# Altium PCB yard-ice-2.PcbDoc (part 1 of 2) (continued)
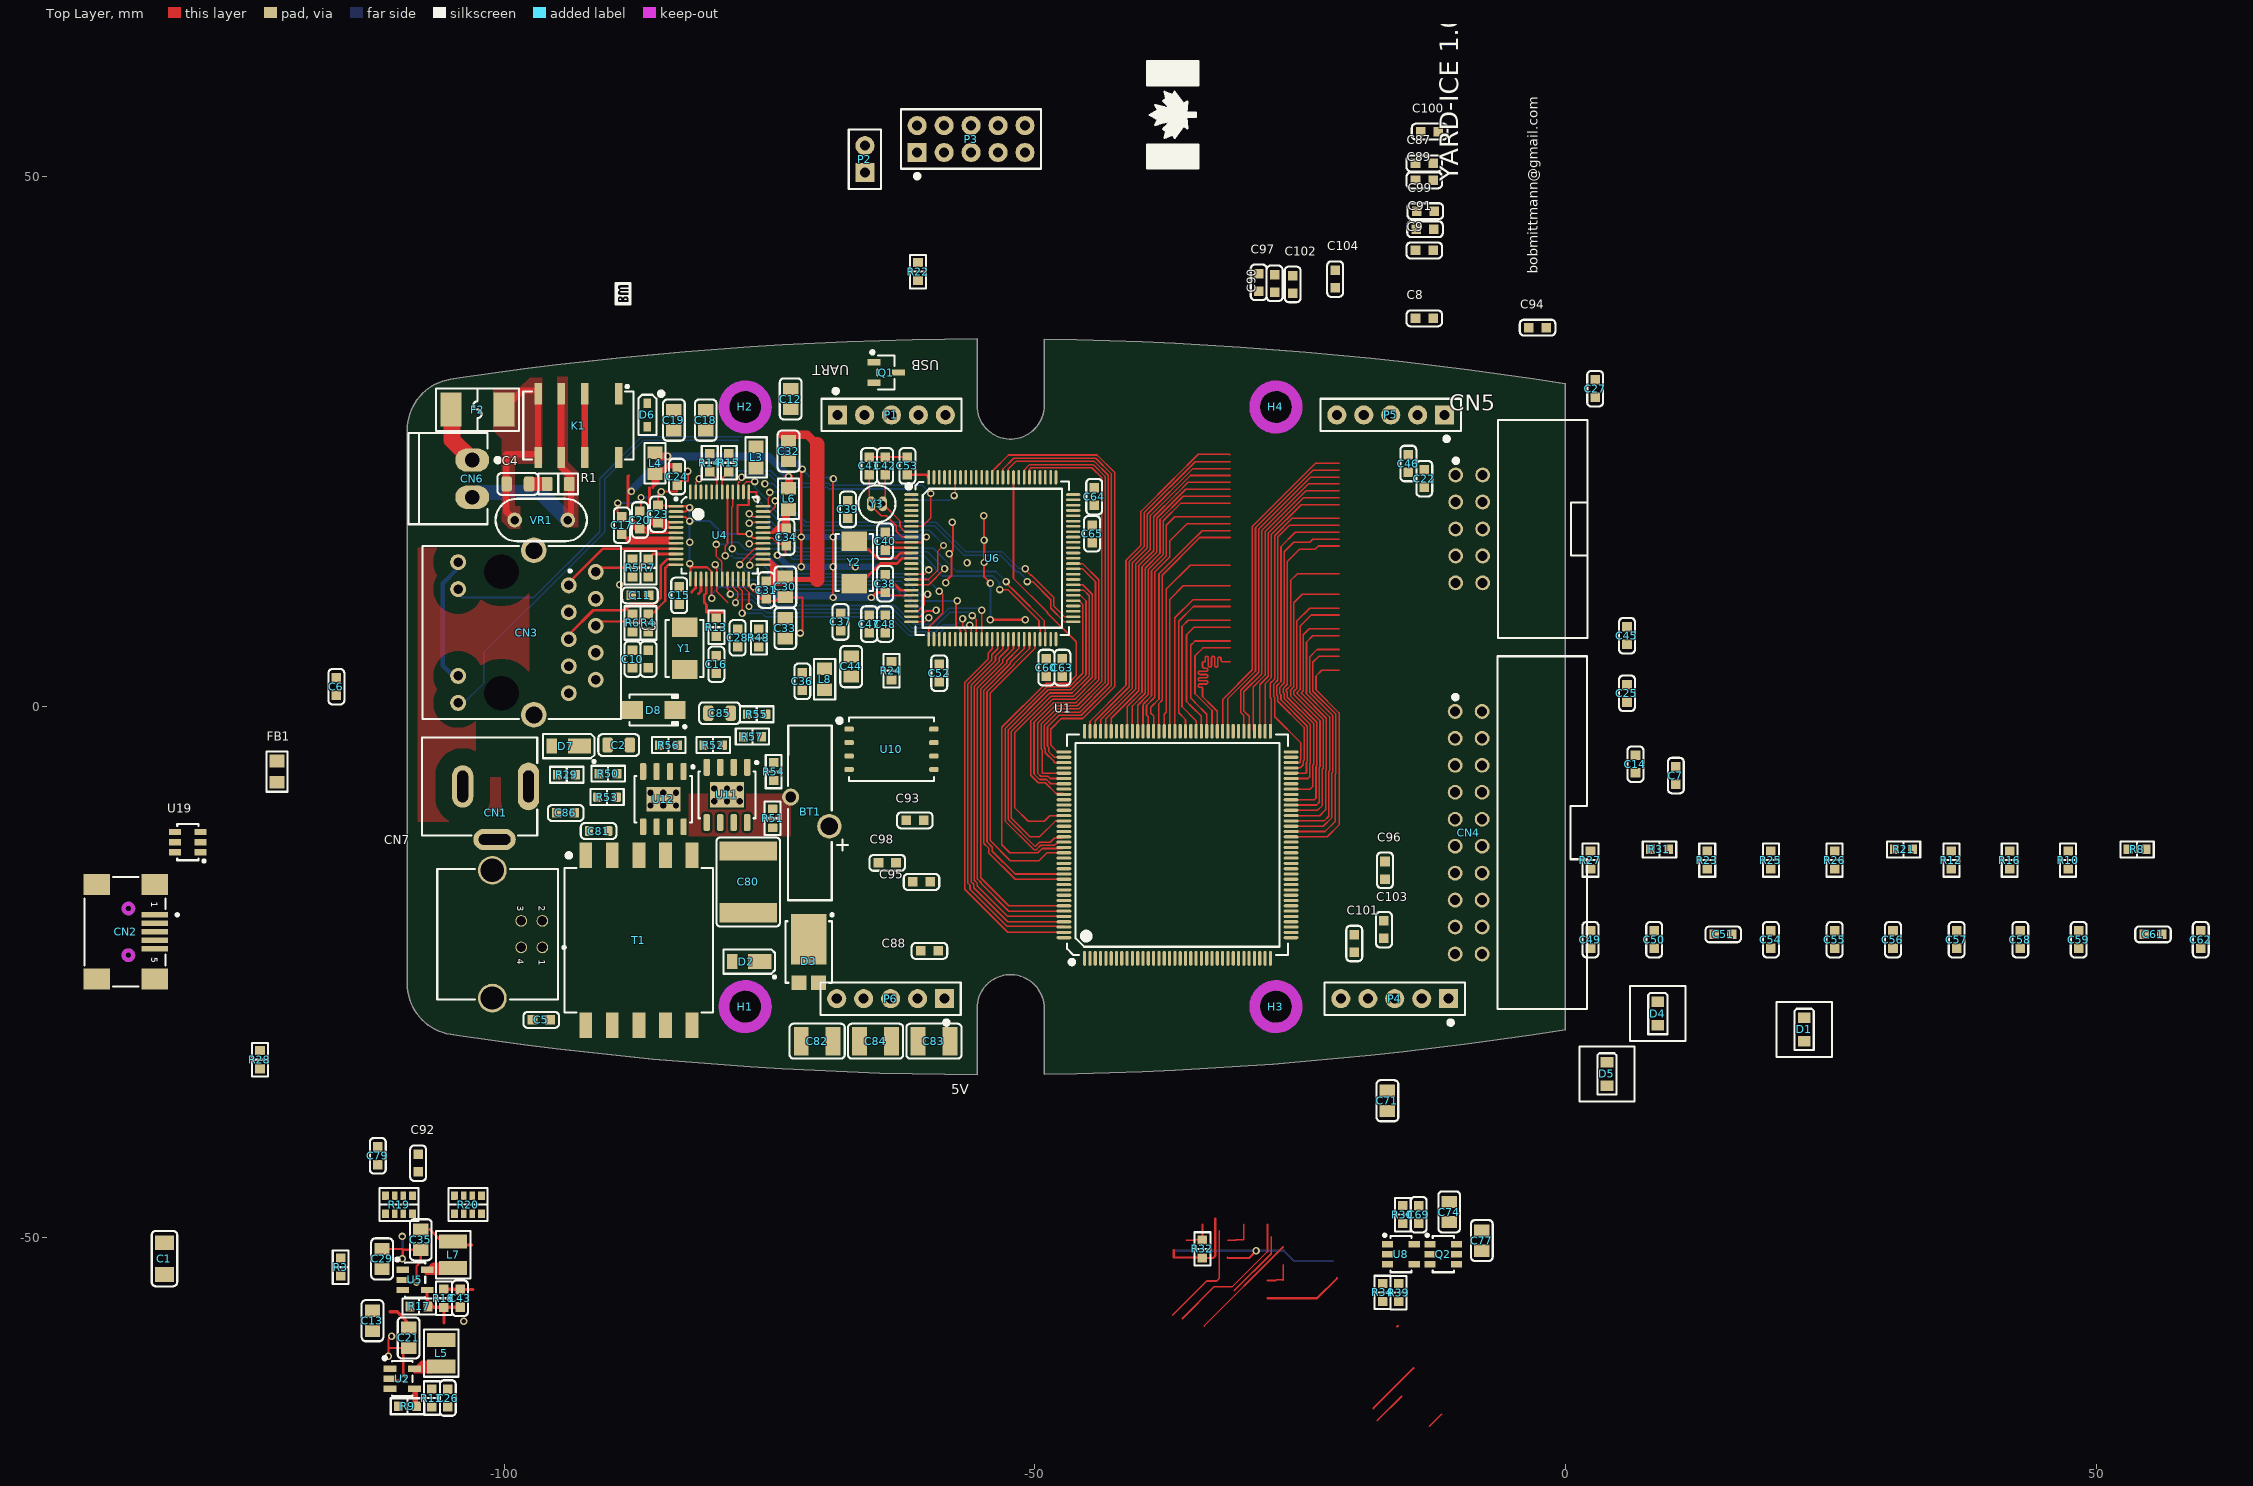
[diagram p0: Top Layer view]
## Components (designator, comment, footprint, x,y, rotation, side; value= is the part's Value field where it differs from the comment) (continued)
R13 "000096" R0603M -80,7.5 r90 top value="6.49K 1%"
R14 "000101" R0603M -80.625,23 r270 top value="220R 5%"
R15 "000101" R0603M -78.825,23 r270 top value="220R 5%"
R16 "000181" R0603M 41.861,-14.437 r90 top value="470R 5%"
R17 "000388" R0603M -108,-56.5 r0 top value="78.7K 1%"
R18 "000512" R0603M -105.675,-55.725 r90 top value="118K 1%"
R19 "000000" R0603x4L -109.9,-46.9 r90 top value=1K
R20 "000000" R0603x4L -103.4,-46.9 r90 top value=1K
R21 "000132" R0603M 31.861,-13.437 r0 top value="120R 1%"
R22 "000043" R0603M -61,41 r90 top value="10K 5%"
R23 "000132" R0603M 13.361,-14.437 r90 top value="120R 1%"
R24 "000043" R0603M -63.5,3.4 r90 top value="10K 5%"
R25 "000132" R0603M 19.361,-14.437 r90 top value="120R 1%"
R26 "000132" R0603M 25.361,-14.437 r90 top value="120R 1%"
R27 "000145" R0603M 2.361,-14.437 r90 top value="20K 1%"
R28 "000501" R0603M -123,-33.25 r90 top value="47R 5%"
R29 "000000" R0603M -94.1,-6.4 r180 top value="100K 1%"
R30 "000145" R0603M -15.325,-47.85 r270 top value="20.0K 1%"
R31 "000145" R0603M 8.861,-13.437 r0 top value="20K 1%"
R32 "000145" R0603M -34.2,-51.075 r270 top value="20K 1%"
R34 "000509" R0603M -17.225,-55.175 r90 top value="2K 1%"
R39 "000509" R0603M -15.725,-55.2 r90 top value="2K 1%"
R48 "?" R0603M -76,6.5 r270 top value="3.3K 1%"
R50 "000000" R0603M -90.2,-6.3 r180 top value="10.0K 1%"
R51 "000000" R0603HV -74.7,-10.5 r90 top value="309K 1%"
R52 "000000" R0603HV -80.3,-3.6 r180 top value="309K 1%"
R53 "000000" R0603HV -90.3,-8.5 r0 top value="309K 1%"
R54 "000000" R0603M -74.6,-6.1 r270 top value="100K 1%"
R55 "000000" R0603HV -76.2,-0.7 r0 top value="309K 1%"
R56 "000000" R0603M -84.5,-3.6 r180 top value="100K 1%"
R57 "000000" R0603M -76.6,-2.8 r0 top value="10.0K 1%"
T1 "000000" 75031583X -87.3,-22 r270 top value=750315125
U1 "000000" 144-TQFP -36.55,-13 r90 top value=LCMXO2-7000HC-4TG144C
U2 "000000" SOT23-5-M -109.6,-63.3 r0 top value=AP3402KTTR-G1
U3 "000000" TSOP-54-II -30,-12.6 r180 bottom value=IS42S16160J-7TLI
U4 "000516" 48-TQFP -79.7,16.15 r0 top value=KSZ8041TL
U5 "000000" SOT23-5-M -108.4,-54 r0 top value=AP3402KTTR-G1
U6 "000000" LQFP100 -54,14 r0 top locked value=STM32F427VIT6
U7 "000000" TSOP-54-II -44.1,-11.7 r180 bottom value=IS42S16160J-7TLI
U8 "000459" SOT-25 -15.5,-51.575 r0 top value=LMV321WG-7
U10 "000000" U-PDFN-8 -63.5,-4 r0 top value=MT29F2G01ABAGDWB
U11 "00000" "DDA (R-PDSO-G8)" -79,-8.3 r270 top value=TPS2378DDAR
U12 "000000" S8E -85,-8.7 r270 top value=LT8304ES8E#PBF
U19 "000000" SOT23-6L -129.8,-12.75 r180 top value=USBLC6-2SC6
VR1 "?" MOV7x4.8-5.0 -96.5,17.6 r180 top value=250V
Y1 "000522" ABM3-H -83,5.5 r90 top value="25.000 MHz"
Y2 "00000" ABM3-H -67,13.6 r270 top value="12.000 MHz"
Y3 "000000" CA-301-V -64.875,19.125 r90 top value=32.768KHz

## Footprints (in the part's own frame and the unit in brackets; to place one, negate y for a bottom-side part, rotate by r counter-clockwise, add the part's x,y. Pads: shape width x height; smd on the part's side, far side on the other; paste and mask are expansions set on the pad)
4-1734376 [mm] "USB Conn. Series B, 4P, R/A, THRU HOLE, W/ BACK SHELL"
  round 1.1 hole 0.9: 1(1.25,2.355) 2(-1.25,2.355) 3(-1.25,0.355) 4(1.25,0.355)
  round 2.7 hole 2.2: 5(6.02,-2.355) 6(-6.02,-2.355)
  silkscreen extent -6.15,-7.56 6.15,4.52, body extent -7.55,-12.63 7.55,3.77, height 11.31
48-TQFP [mm] "TSQFP, 48-Leads, Body 9.0x9.0mm (max), Pitch 0.50mm, IPC High Density"
  oval 1.4x0.25 smd: 1(-4.1,2.75) 2(-4.1,2.25) 3(-4.1,1.75) 4(-4.1,1.25) 5(-4.1,0.75) 6(-4.1,0.25) 7(-4.1,-0.25) 8(-4.1,-0.75) 9(-4.1,-1.25) 10(-4.1,-1.75) 11(-4.1,-2.25) 12(-4.1,-2.75) 25(4.1,-2.75) 26(4.1,-2.25) 27(4.1,-1.75) 28(4.1,-1.25) 29(4.1,-0.75) 30(4.1,-0.25) 31(4.1,0.25) 32(4.1,0.75) 33(4.1,1.25) 34(4.1,1.75) 35(4.1,2.25) 36(4.1,2.75)
  oval 0.25x1.4 smd: 13(-2.75,-4.1) 14(-2.25,-4.1) 15(-1.75,-4.1) 16(-1.25,-4.1) 17(-0.75,-4.1) 18(-0.25,-4.1) 19(0.25,-4.1) 20(0.75,-4.1) 21(1.25,-4.1) 22(1.75,-4.1) 23(2.25,-4.1) 24(2.75,-4.1) 37(2.75,4.1) 38(2.25,4.1) 39(1.75,4.1) 40(1.25,4.1) 41(0.75,4.1) 42(0.25,4.1) 43(-0.25,4.1) 44(-0.75,4.1) 45(-1.25,4.1) 46(-1.75,4.1) 47(-2.25,4.1) 48(-2.75,4.1)
  silkscreen extent -4.22,-3.6 3.6,3.6, body extent -4.5,-4.5 4.5,4.5, height 1.58
144-TQFP [mm] "TSQFP, 144-Leads, Body 20.00x20.00mm, Pitch 0.50mm, IPC Medium Density"
  oval 1.4x0.3 smd: 1(-10.7,8.75) 2(-10.7,8.25) 3(-10.7,7.75) 4(-10.7,7.25) 5(-10.7,6.75) 6(-10.7,6.25) 7(-10.7,5.75) 8(-10.7,5.25) 9(-10.7,4.75) 10(-10.7,4.25) 11(-10.7,3.75) 12(-10.7,3.25) 13(-10.7,2.75) 14(-10.7,2.25) 15(-10.7,1.75) 16(-10.7,1.25) 17(-10.7,0.75) 18(-10.7,0.25) 19(-10.7,-0.25) 20(-10.7,-0.75) 21(-10.7,-1.25) 22(-10.7,-1.75) 23(-10.7,-2.25) 24(-10.7,-2.75) 25(-10.7,-3.25) 26(-10.7,-3.75) 27(-10.7,-4.25) 28(-10.7,-4.75) 29(-10.7,-5.25) 30(-10.7,-5.75) 31(-10.7,-6.25) 32(-10.7,-6.75) 33(-10.7,-7.25) 34(-10.7,-7.75) 35(-10.7,-8.25) 36(-10.7,-8.75) 73(10.7,-8.75) 74(10.7,-8.25) 75(10.7,-7.75) 76(10.7,-7.25) 77(10.7,-6.75) 78(10.7,-6.25) 79(10.7,-5.75) 80(10.7,-5.25) 81(10.7,-4.75) 82(10.7,-4.25) 83(10.7,-3.75) 84(10.7,-3.25) 85(10.7,-2.75) 86(10.7,-2.25) 87(10.7,-1.75) 88(10.7,-1.25) 89(10.7,-0.75) 90(10.7,-0.25) 91(10.7,0.25) 92(10.7,0.75) 93(10.7,1.25) 94(10.7,1.75) 95(10.7,2.25) 96(10.7,2.75) 97(10.7,3.25) 98(10.7,3.75) 99(10.7,4.25) 100(10.7,4.75) 101(10.7,5.25) 102(10.7,5.75) 103(10.7,6.25) 104(10.7,6.75) 105(10.7,7.25) 106(10.7,7.75) 107(10.7,8.25) 108(10.7,8.75)
  oval 0.3x1.4 smd: 37(-8.75,-10.7) 38(-8.25,-10.7) 39(-7.75,-10.7) 40(-7.25,-10.7) 41(-6.75,-10.7) 42(-6.25,-10.7) 43(-5.75,-10.7) 44(-5.25,-10.7) 45(-4.75,-10.7) 46(-4.25,-10.7) 47(-3.75,-10.7) 48(-3.25,-10.7) 49(-2.75,-10.7) 50(-2.25,-10.7) 51(-1.75,-10.7) 52(-1.25,-10.7) 53(-0.75,-10.7) 54(-0.25,-10.7) 55(0.25,-10.7) 56(0.75,-10.7) 57(1.25,-10.7) 58(1.75,-10.7) 59(2.25,-10.7) 60(2.75,-10.7) 61(3.25,-10.7) 62(3.75,-10.7) 63(4.25,-10.7) 64(4.75,-10.7) 65(5.25,-10.7) 66(5.75,-10.7) 67(6.25,-10.7) 68(6.75,-10.7) 69(7.25,-10.7) 70(7.75,-10.7) 71(8.25,-10.7) 72(8.75,-10.7) 109(8.75,10.7) 110(8.25,10.7) 111(7.75,10.7) 112(7.25,10.7) 113(6.75,10.7) 114(6.25,10.7) 115(5.75,10.7) 116(5.25,10.7) 117(4.75,10.7) 118(4.25,10.7) 119(3.75,10.7) 120(3.25,10.7) 121(2.75,10.7) 122(2.25,10.7) 123(1.75,10.7) 124(1.25,10.7) 125(0.75,10.7) 126(0.25,10.7) 127(-0.25,10.7) 128(-0.75,10.7) 129(-1.25,10.7) 130(-1.75,10.7) 131(-2.25,10.7) 132(-2.75,10.7) 133(-3.25,10.7) 134(-3.75,10.7) 135(-4.25,10.7) 136(-4.75,10.7) 137(-5.25,10.7) 138(-5.75,10.7) 139(-6.25,10.7) 140(-6.75,10.7) 141(-7.25,10.7) 142(-7.75,10.7) 143(-8.25,10.7) 144(-8.75,10.7)
  silkscreen extent -11.25,-10.4 10.4,10.4, body extent -11.01,-11.01 11.01,11.01, height 1.75
1734035 [mm] "Mini USB Conn. B Type, R/A, SMT"
  round 0 hole 0.9 unplated: 0(-2.2,0) 0(2.2,0)
  rect 0.5x2.5 smd: 1(-1.6,2.5) 2(-0.8,2.5) 3(0,2.5) 4(0.8,2.5) 5(1.6,2.5)
  rect 2x2.5 smd: 6(-4.45,2.5) 6(-4.45,-3) 6(4.45,2.5) 6(4.45,-3)
  Top Layer keep-out circle w0.4: c2.2,0 r0.45
  Top Layer keep-out circle w0.4: c-2.2,0 r0.45
  Bottom Layer keep-out circle w0.4: c2.2,0 r0.45
  Bottom Layer keep-out circle w0.4: c-2.2,0 r0.45
  silkscreen extent -5.15,-4.15 5.15,4.73, body extent -4.95,-5.9 4.95,3.3, height 4.15
75031583X [mm] "SMD Transformer 17.75x13.46x12.7mm"
  rect 2.4x1.2 smd: 1(-8,-5) 2(-8,-2.5) 3(-8,0) 4(-8,2.5) 5(-8,5) 6(8,5) 7(8,2.5) 8(8,0) 9(8,-2.5) 10(8,-5)
  silkscreen extent -8.2,-7 6.8,7, body extent -8.88,-6.75 8.87,6.75, height 12.55
7499210121A [mm] "Modular Jack, Right Angle PTH"
  round 0 hole 3.27 unplated: 0(-5.715,-0.05) 0(5.715,-0.05)
  round 1.5 hole 0.9 unplated: 1(-5.715,8.84) 2(-4.445,6.3) 3(-3.175,8.84) 4(-1.905,6.3) 5(-0.635,8.84) 6(0.635,6.3) 7(1.905,8.84) 8(3.175,6.3) 9(4.445,8.84) 10(5.715,6.3) 11(-6.63,-4.13) 12(-4.09,-4.13) 13(4.09,-4.13) 14(6.63,-4.13)
  round 2.4 hole 1.6 unplated: 15(-7.75,3) 15(7.75,3)
  silkscreen extent -8.15,-7.5 8.15,11.2, body extent -7.94,-10.92 7.94,10.92, height 13.98
691322110002 [mm] "2 Pos, Terminal Block, Header Assembly, 90dg, 3.5mm Pitch"
  oval 2.2x3.2 hole 1.4: 1(-1.75,0) 2(1.75,0)
  silkscreen extent -4.3,-6 4.3,2.6, body extent -4.05,-8 4.05,1.2, height 7.12
ABM3-H [mm] "Miniature Ceramic SMD Crystal 5.0 X 3.2 X 1.3"
  rect 1.8x2.4 smd: 1(-2,0) 2(2,0)
  silkscreen extent -2.7,-1.78 2.67,1.77, body extent -2.5,-1.6 2.5,1.6, height 1.3
C0603HV [mm] "Chip Capacitor, 2-Leads, Body 1.6x0.8mm, IPC High Voltage"
  rrect25% 0.8x0.9 smd: 1(-0.9,0) 2(0.9,0)
  silkscreen extent -1.68,-0.75 1.68,0.75, body extent -0.83,-0.43 0.82,0.43, height 0.85
C0603M [mm] "Chip Capacitor, 2-Leads, Body 1.6x0.8mm, IPC Medium Density"
  rect 0.9x0.9 smd: 1(-0.825,0) 2(0.825,0)
  silkscreen extent -1.68,-0.75 1.68,0.75, body extent -0.83,-0.43 0.82,0.43, height 0.85
C0805HV [mm] "Chip Capacitor, 2-Leads, Body 2.0x1.3mm, IPC High Voltage"
  rrect50% 1x1.45 smd: 1(-1.05,0) 2(1.05,0)
  silkscreen extent -1.92,-1.02 1.92,1.02, body extent -1.07,-0.7 1.07,0.7, height 1.3
C0805M [mm] "Chip Capacitor, 2-Leads, Body 2.0x1.3mm, IPC Medium Density"
  rect 1.15x1.45 smd: 1(-0.95,0) 2(0.95,0)
  silkscreen extent -1.92,-1.02 1.95,1.02, body extent -1.07,-0.7 1.07,0.7, height 1.3
C1206M [mm] "Chip Capacitor, 2-Leads, Body 3.2x1.6mm, IPC Medium Density"
  rect 1.4x1.8 smd: 1(-1.5,0) 2(1.5,0)
  silkscreen extent -2.62,-1.2 2.6,1.2, body extent -1.6,-0.8 1.6,0.8, height 1.6
C1210M [mm] "Chip Capacitor, 2-Leads, Body 3.2x2.5mm, IPC Medium Density"
  rect 1.4x2.7 smd: 1(-1.5,0) 2(1.5,0)
  silkscreen extent -2.6,-1.65 2.6,1.65, body extent -1.6,-1.3 1.6,1.3, height 2.2
C2220M [mm] "Chip Capacitor, 2-Leads, Body 3.2x2.5mm, IPC Medium Density"
  rect 1.8x5.4 smd: 1(-2.9,0) 2(2.9,0)
  silkscreen extent -4.2,-3 4.2,3, body extent -3.33,-2.7 3.33,2.7, height 1.67
CA-301-V [mm] "Crystal Cylindrical Can, Radial 3.1mmx8.9mm"
  oval 1.4x0.8 hole 0.5: 1(0,0.55) 2(0,-0.55)
  silkscreen extent -1.75,-1.75 1.75,1.75, body extent -1.55,-1.55 1.55,1.55, height 9.2
CR-1632/VCN [mm] "PTH Battery 16mm Vertical"
  round 2.3 hole 1.65: 1(-1.25,-1.825)
  round 1.6 hole 1: 2(1.5,1.825)
  silkscreen extent -8.23,-3.55 8.25,2.09, body extent -8.01,-1.85 8.01,1.85, height 17.21
"DDA (R-PDSO-G8)" [mm] "SOP, 8-Leads, Body 5.0x4.0mm (max), Pitch 1.27mm, IPC High Density"
  rrect50% 1.6x0.6 smd: 1(-2.6,1.905) 2(-2.6,0.635) 3(-2.6,-0.635) 4(-2.6,-1.905) 5(2.6,-1.905) 6(2.6,-0.635) 7(2.6,0.635) 8(2.6,1.905)
  rect 2.4x3.2 smd: 9(0,0)
  silkscreen extent -3.17,-2.7 2.2,2.92, body extent -3.03,-2.5 3.03,2.5, height 1.9
DO-214AC [mm] "Molded Diode, 2-Leads, Body 4.3x2.6mm, IPC High Density"
  rect 2x1.7 smd: 1(2,0) 2(-2,0)
  silkscreen extent -3.06,-1.45 2.3,1.7, body extent -2.6,-1.3 2.6,1.3, height 2.3
F2410 [mm] "SMD Fuse"
  rect 2x3.2 smd: 1(-2.5,0) 2(2.5,0)
  silkscreen extent -3.9,-2 3.9,2, body extent -3.1,-1.27 3.1,1.27, height 2.56
"Hole NP 3.2x5.0x5.0" [mm] "3.2mm Hole Non Plated, 5.0mm Clearance Top and Bottom"
  round 0 hole 3.2 unplated: 0(0,0)
  Top Layer keep-out circle w1: c0,0 r2
  Bottom Layer keep-out circle w1: c0,0 r2
KLDX-0202 [mm] "DC Power Jack, 2.0mm, KLD Series, PCB Mount"
  oval 2x4.5 hole 1 slot 3 at 90 deg: 1(0,0)
  oval 2x4 hole 1 slot 3 at 90 deg: 2(-6.2,0)
  oval 4x2 hole 1 slot 3 at 0 deg: 3(-3.2,-5)
  silkscreen extent -10.05,-4.63 0.83,4.63, body extent -13.7,-4.89 0.77,4.59, height 11.18
L0805M [mm] "Chip Inductor, 2-Leads, Body 2.0x1.3mm, IPC Medium Density"
  rect 1.2x1.4 smd: 1(-1,0) 2(1,0)
  silkscreen extent -1.9,-1 1.9,1, body extent -1.07,-0.67 1.07,0.67, height 1
L1210M [mm] "Wire Wound Inductor, 2-Leads, Body 3.2x2.5mm, Medium Density"
  rect 1.35x2.65 smd: 1(-1.25,0) 2(1.25,0)
  silkscreen extent -2.23,-1.62 2.23,1.62, body extent -1.6,-1.25 1.6,1.25, height 1.55
"LED0805L LP" [mm] "Chip LED 0805 - With Light Pipe - Low Density"
  round 0 hole 1 unplated: 0(-1.89,1.89) 0(1.89,-1.89)
  rect 1x1.2 smd: 1(1.1,0) 2(-1.1,0)
  silkscreen extent -2.6,-2.6 2.6,2.6, body extent -1.03,-0.45 1.03,0.45, height 0.83
LQFP100 [mm] "TSQFP, 100-Leads, Body 16.2x16.2mm (max), Pitch 0.50mm, IPC High Density"
  oval 1.35x0.25 smd: 1(-7.625,6) 2(-7.625,5.5) 3(-7.625,5) 4(-7.625,4.5) 5(-7.625,4) 6(-7.625,3.5) 7(-7.625,3) 8(-7.625,2.5) 9(-7.625,2) 10(-7.625,1.5) 11(-7.625,1) 12(-7.625,0.5) 13(-7.625,0) 14(-7.625,-0.5) 15(-7.625,-1) 16(-7.625,-1.5) 17(-7.625,-2) 18(-7.625,-2.5) 19(-7.625,-3) 20(-7.625,-3.5) 21(-7.625,-4) 22(-7.625,-4.5) 23(-7.625,-5) 24(-7.625,-5.5) 25(-7.625,-6) 51(7.625,-6) 52(7.625,-5.5) 53(7.625,-5) 54(7.625,-4.5) 55(7.625,-4) 56(7.625,-3.5) 57(7.625,-3) 58(7.625,-2.5) 59(7.625,-2) 60(7.625,-1.5) 61(7.625,-1) 62(7.625,-0.5) 63(7.625,0) 64(7.625,0.5) 65(7.625,1) 66(7.625,1.5) 67(7.625,2) 68(7.625,2.5) 69(7.625,3) 70(7.625,3.5) 71(7.625,4) 72(7.625,4.5) 73(7.625,5) 74(7.625,5.5) 75(7.625,6)
  oval 0.25x1.35 smd: 26(-6,-7.625) 27(-5.5,-7.625) 28(-5,-7.625) 29(-4.5,-7.625) 30(-4,-7.625) 31(-3.5,-7.625) 32(-3,-7.625) 33(-2.5,-7.625) 34(-2,-7.625) 35(-1.5,-7.625) 36(-1,-7.625) 37(-0.5,-7.625) 38(0,-7.625) 39(0.5,-7.625) 40(1,-7.625) 41(1.5,-7.625) 42(2,-7.625) 43(2.5,-7.625) 44(3,-7.625) 45(3.5,-7.625) 46(4,-7.625) 47(4.5,-7.625) 48(5,-7.625) 49(5.5,-7.625) 50(6,-7.625) 76(6,7.625) 77(5.5,7.625) 78(5,7.625) 79(4.5,7.625) 80(4,7.625) 81(3.5,7.625) 82(3,7.625) 83(2.5,7.625) 84(2,7.625) 85(1.5,7.625) 86(1,7.625) 87(0.5,7.625) 88(0,7.625) 89(-0.5,7.625) 90(-1,7.625) 91(-1.5,7.625) 92(-2,7.625) 93(-2.5,7.625) 94(-3,7.625) 95(-3.5,7.625) 96(-4,7.625) 97(-4.5,7.625) 98(-5,7.625) 99(-5.5,7.625) 100(-6,7.625)
  silkscreen extent -8.07,-7.23 7.22,7.22, body extent -8,-8 8,8, height 1.61
MOV7x4.8-5.0 [mm] "MOV RADIAL 7x4.6mm, 5.0mm Pitch"
  round 1.4 hole 0.8: 1(2.5,0) 2(-2.5,0)
  silkscreen extent -4.3,-2 4.3,2, body extent -4,-1.26 4,1.25, height 10.5
"PowerDI 5" [mm] "Molded Diode, 2-Leads"
  rect 1.4x1.4 smd: 1(2.9,-0.92) 1(2.9,0.92)
  rect 4.8x3.36 smd: 2(-1.2,0)
  silkscreen extent -3.62,-2.2 2.9,2.33, body extent -3.3,-2.03 3.3,2.03, height 1.16
"PowerDI 123" [mm] "Molded Diode, 2-Leads"
  rect 1x1.4 smd: 1(1.6,0)
  rect 2.2x1.4 smd: 2(-1,0)
  silkscreen extent -2.5,-1.15 2.43,1.57, body extent -1.95,-0.96 1.95,0.96, height 1.02
R0603HV [mm] "Chip Resistor, 2-Leads, Body 1.6x0.8mm, IPC High Voltage"
  rrect25% 0.8x0.9 smd: 1(-0.9,0) 2(0.9,0)
  silkscreen extent -1.58,-0.75 1.57,0.75, body extent -0.8,-0.4 0.8,0.4, height 0.45
R0603M [mm] "Chip Resistor, 2-Leads, Body 1.6x0.8mm, IPC Medium Density"
  rect 0.85x0.9 smd: 1(-0.85,0) 2(0.85,0)
  silkscreen extent -1.57,-0.75 1.58,0.75, body extent -0.8,-0.4 0.8,0.4, height 0.45
R0603x4L [mm] "Chip Resistor Array"
  rect 0.8x0.65 smd: 1(-0.85,1.275) 4(-0.85,-1.275) 5(0.85,-1.275) 8(0.85,1.275)
  rect 0.8x0.5 smd: 2(-0.85,0.4) 3(-0.85,-0.4) 6(0.85,-0.4) 7(0.85,0.4)
  silkscreen extent -1.55,-1.85 1.55,1.85, body extent -0.8,-1.61 0.8,1.59, height 0.5
R0805HV [mm] "Chip Resistor, 2-Leads, Body 2.0x1.3mm, IPC Medium Density"
  rrect25% 1x1.35 smd: 1(-1.05,0) 2(1.05,0)
  silkscreen extent -1.85,-0.98 1.85,0.97, body extent -1,-0.6 1,0.6, height 0.6
Relay-10X6 [mm] "Relay 10mm X 6mm SMT Gull wings"
  rect 2x0.7 smd: 1(3,-3.8) 2(3,-0.6) 3(3,1.6) 4(3,3.8) 5(-3,3.8) 6(-3,1.6) 7(-3,-0.6) 8(-3,-3.8)
  silkscreen extent -3.2,-5.2 3.8,5.2, body extent -3.76,-5 3.76,5, height 5.65
S8E [mm] "SOP, 8-Leads, Body 5.0x4.0mm (max), Pitch 1.27mm, IPC High Density"
  rrect50% 1.6x0.6 smd: 1(-2.6,1.905) 2(-2.6,0.635) 3(-2.6,-0.635) 4(-2.6,-1.905) 5(2.6,-1.905) 6(2.6,-0.635) 7(2.6,0.635) 8(2.6,1.905)
  rect 2.3x3.2 smd: 9(0,0)
  silkscreen extent -3.17,-2.7 2.2,2.92, body extent -3.03,-2.5 3.03,2.5, height 1.9
SOD-323-M [mm] "Molded Diode, 2-Leads, Medium Density"
  rect 0.9x0.7 smd: 1(1.1,0) 2(-1.1,0)
  silkscreen extent -2.2,-0.85 1.9,1.5, body extent -1.3,-0.67 1.3,0.67, height 1.1
SOT23-5-M [mm] "SOT23, 5-Leads, Body 3.0x3.0mm (max), Pitch 0.95mm, IPC Medium Density"
  rect 1.2x0.6 smd: 1(-1.15,0.95) 2(-1.15,0) 3(-1.15,-0.95) 4(1.15,-0.95) 5(1.15,0.95)
  silkscreen extent -1.8,-1.65 0.97,2.07, body extent -1.25,-1.5 1.25,1.5, height 1.09
SOT23-6L [mm] "SOT23, 6-Leads, Body 3.0x3.0mm (max), Pitch 0.95mm, IPC Medium Density"
  rect 1.1x0.6 smd: 1(-1.2,0.95) 2(-1.2,0) 3(-1.2,-0.95) 4(1.2,-0.95) 5(1.2,0) 6(1.2,0.95)
  silkscreen extent -1.65,-1.7 1,1.9, body extent -1.4,-1.45 1.4,1.45, height 1.45
SOT-23-M [mm] "SOT23, 3-Leads, Body 3.0x2.8mm (max), Pitch 0.95mm, Medium Density"
  rect 1.2x0.6 smd: 1(-1.15,0.95) 2(-1.15,-0.95) 3(1.15,0)
  silkscreen extent -1.45,-1.6 0.8,2.05, body extent -1.17,-1.46 1.17,1.46, height 1.02
SOT-25 [mm] "5-Lead Plastic Small Outline Transistor - Medium Density"
  rect 1.05x0.6 smd: 1(-1.25,0.95) 2(-1.25,0) 3(-1.25,-0.95) 4(1.25,-0.95) 5(1.25,0.95)
  silkscreen extent -1.65,-1.7 1,1.9, body extent -1.25,-1.5 1.25,1.5, height 1.09
SOT-26 [mm] "6-Lead Plastic Small Outline Transistor"
  rect 1.05x0.6 smd: 1(-1.25,0.95) 2(-1.25,0) 3(-1.25,-0.95) 4(1.25,-0.95) 5(1.25,0) 6(1.25,0.95)
  silkscreen extent -1.65,-1.7 1,1.9, body extent -1.17,-1.46 1.17,1.46, height 1
TSOP-54-II [mm] "TSOP, 54-Leads, Body 22.4x10.3mm (max), Pitch 0.80mm, IPC Medium Density"
  oval 1.45x0.44 smd: 1(-5.55,10.4) 2(-5.55,9.6) 3(-5.55,8.8) 4(-5.55,8) 5(-5.55,7.2) 6(-5.55,6.4) 7(-5.55,5.6) 8(-5.55,4.8) 9(-5.55,4) 10(-5.55,3.2) 11(-5.55,2.4) 12(-5.55,1.6) 13(-5.55,0.8) 14(-5.55,0) 15(-5.55,-0.8) 16(-5.55,-1.6) 17(-5.55,-2.4) 18(-5.55,-3.2) 19(-5.55,-4) 20(-5.55,-4.8) 21(-5.55,-5.6) 22(-5.55,-6.4) 23(-5.55,-7.2) 24(-5.55,-8) 25(-5.55,-8.8) 26(-5.55,-9.6) 27(-5.55,-10.4) 28(5.55,-10.4) 29(5.55,-9.6) 30(5.55,-8.8) 31(5.55,-8) 32(5.55,-7.2) 33(5.55,-6.4) 34(5.55,-5.6) 35(5.55,-4.8) 36(5.55,-4) 37(5.55,-3.2) 38(5.55,-2.4) 39(5.55,-1.6) 40(5.55,-0.8) 41(5.55,0) 42(5.55,0.8) 43(5.55,1.6) 44(5.55,2.4) 45(5.55,3.2) 46(5.55,4) 47(5.55,4.8) 48(5.55,5.6) 49(5.55,6.4) 50(5.55,7.2) 51(5.55,8) 52(5.55,8.8) 53(5.55,9.6) 54(5.55,10.4)
  silkscreen extent -5.68,-11.2 4.43,11.35, body extent -5.88,-11.26 5.88,11.26, height 1.1
TST-105-04-G-D-RA [mm] "SHROUDED  .025\"  SQ  POST HEADER 2.54mm 2x5"
  round 1.4 hole 0.95: 1(-1.27,5.08) 2(1.27,5.08) 3(-1.27,2.54) 4(1.27,2.54) 5(-1.27,0) 6(1.27,0) 7(-1.27,-2.54) 8(1.27,-2.54) 9(-1.27,-5.08) 10(1.27,-5.08)
  silkscreen extent -1.45,-10.27 11.15,10.27, body extent -1.62,-10.14 11.02,10.18, height 9.45
TST-110-04-G-D-RA [mm] "SHROUDED  .025\"  SQ  POST HEADER 2.54mm 2x5"
  round 1.4 hole 0.95: 1(-1.27,11.43) 2(1.27,11.43) 3(-1.27,8.89) 4(1.27,8.89) 5(-1.27,6.35) 6(1.27,6.35) 7(-1.27,3.81) 8(1.27,3.81) 9(-1.27,1.27) 10(1.27,1.27) 11(-1.27,-1.27) 12(1.27,-1.27) 13(-1.27,-3.81) 14(1.27,-3.81) 15(-1.27,-6.35) 16(1.27,-6.35) 17(-1.27,-8.89) 18(1.27,-8.89) 19(-1.27,-11.43) 20(1.27,-11.43)
  silkscreen extent -1.45,-16.62 11.15,16.63, body extent -1.6,-16.51 11.04,16.51, height 9.52
TSW-102-07-G-S [mm] ".025\"  SQ  POST HEADER 2.54mm 2x1"
  rect 1.8x1.8 hole 0.95: 1(-1.27,0)
  round 1.8 hole 0.95: 2(1.27,0)
  silkscreen extent -2.8,-1.53 2.8,1.52, body extent -2.54,-1.27 2.54,1.27, height 8.38
TSW-105-07-G-D [mm] ".025\"  SQ  POST HEADER 2.54mm 2x5"
  rect 1.8x1.8 hole 0.95: 1(-1.27,5.08)
  round 1.8 hole 0.95: 2(1.27,5.08) 3(-1.27,2.54) 4(1.27,2.54) 5(-1.27,0) 6(1.27,0) 7(-1.27,-2.54) 8(1.27,-2.54) 9(-1.27,-5.08) 10(1.27,-5.08)
  silkscreen extent -3.7,-6.6 2.8,6.6, body extent -2.54,-6.35 2.54,6.35, height 8.38
TSW-105-07-G-S [mm] ".025\"  SQ  POST HEADER 2.54mm 5 Positions"
  rect 1.8x1.8 hole 0.95: 1(-5.08,0)
  round 1.8 hole 0.95: 2(-2.54,0) 3(0,0) 4(2.54,0) 5(5.08,0)
  silkscreen extent -6.61,-1.53 6.61,2.45, body extent -6.35,-1.27 6.35,1.27, height 8.38
U-PDFN-8 [mm] "QFN, 8-Leads, Body 6.0x8.0mm (max), Pitch 1.27mm, IPC Medium Density"
  rrect50% 0.9x0.45 smd: 1(-4,1.905) 2(-4,0.635) 3(-4,-0.635) 4(-4,-1.905) 5(4,-1.905) 6(4,-0.635) 7(4,0.635) 8(4,1.905)
  silkscreen extent -5.1,-3 4,3, body extent -4,-3 4,3, height 1

## Part data
BT1: library part CR-1632/VCN, "PTH 16mm SMD Battery Vertical", Class=Battery, MF=Panasonic, MF PN=CR-1632/VCN, PN=0000-00
C1: library part C1206, "SMD Ceramic Chip Capacitor - 1206", Package=1206, PN=000463
C2 C4 C85: library part C0805, "SMD Ceramic Chip Capacitor - 0805", Package=0805, PN=000000
  C85: MF PN=GCM21BR72A104KA37K
C3 C5 C6 C7 C8 C9 C10 C11 C17 C20 C23 C24 C27 C31 C34 C36 C38 C40 C45 C46 C47 C48 C49 C50 C51 C52 C53 C54 C55 C56 C57 C58 C59 C60 C61 C62 C63 C64 C65 C79 C87 C88 C89 C90 C91 C92 C93 C94 C95 C96 C97 C98 C99 C100 C101 C102 C103 C104: library part C0603, "SMD Ceramic Chip Capacitor - 0603 - X7R", Package=0603
  C3 C5 C6 C7 C8 C9 C10 C11 C17 C20 C23 C24 C27 C31 C34 C36 C38 C40 C45 C46 C47 C48 C49 C50 C51 C52 C53 C54 C55 C56 C57 C58 C59 C61 C62 C63 C64 C79 C87 C88 C89 C90 C91 C92 C93 C94 C95 C96 C97 C98 C99 C100 C101 C102 C103 C104: MF=TDK, MF PN=C1608X7R1E104K, PN=000500
  C60 C65: MF="Taiyo Yuden", MF PN=LMK107B7225KA-T, PN=000071
C12 C13 C18 C19 C21 C29 C30 C32 C33 C35 C44 C71 C74 C77: library part C0805, "SMD Ceramic Chip Capacitor - 0805 - X7R", Package=0805, MF=TDK, MF PN=C2012X7R1A106K, PN=000510
C14 C15 C16 C22 C25 C26 C28 C37 C39 C41 C42 C43 C69 C81 C86: library part C0603, "SMD Ceramic Chip Capacitor - 0603", Package=0603
  C14 C22 C25 C28 C69: PN=000288
  C15 C16 C37 C39: PN=000515
  C26 C43: PN=000486
  C41 C42: PN=000507
  C81 C86: PN=000000
C80: library part C2220, "SMD Ceramic Chip Capacitor - 2220", Package=2220, MF=AVX, MF PN=22201C106MAT2A, PN=000000
C82 C83 C84: library part C1210, "SMD Ceramic Chip Capacitor - 1210", Package=1210, ExtraInfo=6XS, MF="Taiyo Yuden", MF PN=LMK325AC6107MM-P, PN=000000, Price=1.08452
CN1: library part XKLD-0202, "Low Voltage Power Supply Connector", Package=PTH, MF=KYCON, MF PN=XKLD-0202, PN=000000
CN2: library part 1734035, "USB Type B Mini - Right Angle - SMD", Package=SMT, Digi-Key PN=A121553CT-ND, MF=Tyco, MF PN=1734035-3, PN=000000, Price=1.16131, Status=Stock
CN3: library part 7499210121A, "10/100Base-TX PoE RJ45", Package=PTH, MF=Wurth, PN=000000
CN4: library part "Header 10X2", "Shrouded Header, 20 Pos, Right Angle", Package=PTH, MF=3M, MF PN=2520-5002UB, PN=000514
CN5 P3: library part "Header 5X2", "Socket 5-Pin, Dual row", Package=SMD, PN=000000
  CN5: MF=Samtec
CN6: library part "Term Blk 2", "Terminal Block, Header, 2-Pos", Package=PTH, PN=000000
CN7: library part 4-1734376, "USB Type B - Right Angle - Thru Hole"
D1 D4 D5: library part LED0805LP, "LED SMD 0805", Package=0805
  D1: PN=000428
  D4: PN=000520
  D5: PN=000527
D2: library part SBR3U30P1, "Super Barrier Rectifier", Package="PowerDI 123", MF="Diodes Inc", PN=000327
D3: library part PDS835L, "Shottky Barrier Rectifier 25V 8A", Package="PowerDI 5", Digi-Key PN=PDS835LDICT-ND, MF="Diodes Inc", MF PN=PDS835L-13, PN=000000, Price=0.80369
D6: library part 1N4148WS, "Fast Switching Diode 100V 150mA", Package=SOD-323, MF="Diodes Inc", MF PN=1N4148WS-7-F, PN=0000-00
D7: library part PD3S160, "Sshottky Barrier Rectifier 60V 1A", Package="PowerDI 123", MF="Diodes Inc", PN=000000
D8: library part SMAJXXA, "Unidirectional Transiet Voltage Suppressor", Package=SMA, MF=Bourns, PN=000000
F2: library part F2410, Package=2410, PN=000000
FB1: library part FB0805, "SMD Chip Ferrite Bead - 0805", Package=0805, PN=000000
K1: library part Relay-DPDT, "Dual-Pole Dual-Throw Relay", Package=SMT, MF=Tyco, MF PN=IM03GR, PN=000504
L3 L4 L6 L8: library part L0805, "SMD Ferrite Bead 0805", Package=0805, MF=TDK, MF PN=MMZ2012Y301B, PN=000508
L5 L7: library part L1210, "SMD Wire Wound Inductor -  1210 (3225 metric)", Package=1210, MF=Murata, MF PN=LQH32PN3R3NN0L, PN=000314
P1 P4 P5 P6: library part "Header 5", "Header, 5-Pin", Package=PTH, PN=000000
P2: library part "Header 2", "Header, 2-Pin", Package=PTH, PN=000PTH
Q1: library part 2N7002P, "N-Channel MOSFET 60V 360mA SOT-23", Package=SOT-23, PN=000000
Q2: library part PMN34UN,135, "N-Channel MOSFET 30V 4.9A 6TSOP", Package=SOT23-6, PN=000000
R1: library part R0805, "SMD Chip Resistor - 0805", Package=0805, PN=000000
R3 R4 R5 R6 R7 R8 R9 R10 R11 R12 R13 R14 R15 R16 R17 R18 R21 R22 R23 R24 R25 R26 R27 R28 R29 R30 R31 R32 R34 R39 R48 R50 R51 R52 R53 R54 R55 R56 R57: library part R0603, "SMD Chip Resistor - 0603", Package=0603
  R3: PN=000299
  R4 R5 R6 R7: PN=000095
  R8 R10: PN=000300
  R9: PN=000443
  R11: PN=000511
  R12 R16: PN=000181
  R13: PN=000096
  R14 R15: PN=000101
  R17: PN=000388
  R18: PN=000512
  R21 R23 R25 R26: PN=000132
  R22 R24: PN=000043
  R27 R30 R31 R32: PN=000145
  R28: PN=000501
  R29 R50 R51 R52 R53 R54 R55 R56 R57: PN=000000
  R34 R39: PN=000509
  R48: PN=?
R19 R20: library part R0603x4, "SMD Chip Resistor Array - 4x0603", Package=0603, PackageReference=4x0402, PN=000000
T1: library part 750315126, "SMD Transformer", Digi-Key PN=1297-1195-1-ND, MF=Wurth, MF PN=750315125, PN=000000, Price=3.47870
U1: library part LCMXO2-7000HC, "FPGA, 6864 Logic Elements, Flash", Package=144-LQFP, Digy-Key PN=220-1567-ND, MF=Lattice, MF PN=LCMXO2-7000HC-4TG144C, PN=000000
U2 U5: library part AP3429A, "2A Step-Down DC/DC Cnverter 1MHz Switching Frequency", Package=SOT-23-5, Digi-Key PN=AP3402KTTR-G1DICT-ND, MF="Diodes Inc", MF PN=AP3402KTTR-G1, PN=000000, Price=0.12375
U3 U7: library part IS42S16160J-7TL, "256Mbit (16M x16) 143MHz SDRAM", Package="54-TSOP II", MF=ISSI, PN=000000
U4: library part KSZ8041TL, "10Base-T/100Base-TX Physical Layer Transceiver", Package=48-TQFP, MF=Micrel, PN=000516
U6: library part STM32F427VIT6, "ARM Cortex-M4,  2MB Flash, 256+4KB RAM", Package=LQFP100, PN=000000
U8: library part LMV321WG-7, "General Purpose, Low Voltage, Rail-to-Rail Output Operational Amplifier", Package=SOT25, MF="Diodes Inc", PN=000459
U10: library part MT29F2G01ABAGDWB, "2Gb NANDl Flash Memory,  133MHz, SPI", Package=8VDFN, Digi-Key PN=557-1664-1-ND, MF=Micron, MF PN="MT29F2G01ABAGDWB-IT:G TR", PN=000000, Price=3.52500
U11: library part TPS2378, "PoE High-Power PD Interface", Package=8-HSOP, MF="Texas Instruments", MF PN=TPS2378DDAR, PN=00000
U12: library part LT3804, "100V Isolated Flyback Converter", Package=8-SOIC-EP, Digi-Key PN=LT8304ES8E#PBF-ND, MF="Linear Technology", MF PN=LT8304ES8E#PBF, PN=000000, Price=6.42920
U19: library part USBLC6-2SC6, "USB ESD Protection", Package=ST23-6L, Digi-Key PN=497-5235-1-ND, MF=STMicroelectronics, MF PN=USBLC6-2SC6, PN=0000-00, Price=0.14025, Status=Stock
VR1: library part Varistor, "Varistor (Voltage-Sensitive Resistor)", Package=PTH, PN=?
Y1 Y2: library part ABM3, "Miniature Ceramic SMD Crystal", MF=Abracon, Package=ABM3
  Y1: MF PN=ABM3-25.000MHZ-B2-T, PN=000522
  Y2: MF PN=ABM3-12.000MHZ-B2-T, PN=00000
Y3: library part CA-301, "Cylinder Crystal Unit", MF=Epson, PN=000000

## Via types
v1: diameter 0.7, hole 0.4, Top Layer to Bottom Layer, 83 vias
v2: diameter 0.8, hole 0.6, Top Layer to Bottom Layer, tented top, 12 vias

## Nets (pads, with @x,y where several pads share a name; then routed paths per layer and width w, separated by ;. In a path a pad name is that pad's centre, name@x,y a point inside that pad or via, vN(x,y) a via of type N, cw(c..) or ccw(c..) an arc to the next point about the centre after c; other vN are vias at no path point)
ADC12_IN6: U6.31
ADC123_IN10: U6.15
BOOT0: P2.1 R22.2 U6.94
BOOT1: R24.2 U6.37
CFG_CSSPIN: U1.105 | length 31.9
  Top Layer w0.15: U1.105@-43.8,-2.3 -43.8,-1.227 -40.8,1.773 -40.8,13.565 -39.4,14.965 -39.4,18.151 -35.102,22.45 -31.6,22.45
CFG_DONE: U6.60
CFG_INIT: U6.59
CFG_MCLK: U1.99 | length 28.5
  Top Layer w0.15: U1.99@-40.8,-2.3 -40.8,0.076 -39.6,1.276 -39.6,13.068 -38.2,14.468 -38.2,17.654 -36.004,19.85 -31.6,19.85
CFG_PGMN: U1.61 U6.97 | length 25.4
  Top Layer w0.15: U1.61@-25.85,-9.75 -23.35,-9.75 -22.9,-9.3 -22.9,-5.85 -22.825,-5.775 -22.825,-1.196 -25.3,1.279 -25.3,1.336 -25,1.636 -25,7.6 -23.95,8.65 -21.3,8.65
CFG_SISPI: U1.73 | length 25.4
  Top Layer w0.15: U1.73@-27.8,-2.3 -27.7,-2.2 -27.7,0.757 -27.8,0.857 -27.8,2.23 -27.4,2.63 -27.4,16.13 -25.78,17.75 -21.3,17.75
CFG_SPISO: U1.98 | length 27.8
  Top Layer w0.15: U1.98@-40.3,-2.3 -40.3,0.151 -39.3,1.151 -39.3,12.944 -37.9,14.344 -37.9,17.53 -36.23,19.2 -31.6,19.2
DAC1_OUT: U6.29
DAC2_OUT: C69.1 R30.2 U6.30 U8.1
DBGACK/RX: CN4.19 R21.1 R26.1
DBGRQ/TX: CN4.17 R20.8
ETH_1.8: C19.1 C20.1 L4.2 L6.2 U4.6 | length 30.4
  Top Layer w0.25: -88.325,18.9 -88.325,21.75 ; -88.275,21.75 -88.25,21.775 ; C20.1@-87.6,16.7 -88.075,17.175 -88.075,17.5 ; C20.1@-87.475,16.9 -88.075,17.5 ; C20.1@-87.3,17.065 -88.075,17.84 -88.075,17.5 ; C20.1@-87.1,17.065 -87.1,16.875 -86.625,16.4 -86.35,16.4 ; C20.1@-86.925,16.875 -86.425,16.875 -85.95,16.4 U4.6@-83.8,16.4 ; -86.562,16.687 -86.275,16.4 -86.025,16.4
  Top Layer w0.75: L4.2@-85.775,23.95 L4.2@-85.425,23.6 ; L4.2@-85.525,23.6 L4.2@-85.425,23.6 ; v1(-84.6,23.6) L4.2@-85.425,23.6 ; v1(-73.2,21.7) -73.175,21.675 L6.2@-73.175,21.05
  Bottom Layer w0.75: v1@-88.1,20.3 -88.05,20.35 -84.8,23.6 v1(-84.6,23.6) -75.1,23.6 v1(-73.2,21.7)
  other v1: -88,20.3
ETH_1.8A: C23.1 C24.1 L4.1 U4.4 U4.5 | length 17
  Top Layer w0.25: -86.3,20.65 -86.3,18.125 ; L4.1@-86,21.725 -86,20.975 ; C23.1@-85.85,17 -86.3,17.45 -86.3,17.775 ; L4.1@-85.75,21.625 -85.75,21.225 -86,20.975 ; C23.1@-85.675,17.15 -86.3,17.775 ; L4.1@-85.5,21.9 -85.5,21.15 -86,20.65 -86,20.975 ; C23.1@-85.475,17.125 C23.1@-85.3,17.125 ; C23.1@-85.45,17.625 -84.775,17.625 -84.55,17.4 ; C23.1@-85.375,17.375 -84.8,17.375 -84.55,17.125 ; U4.5@-83.8,16.9 -84.55,16.9 ; U4.4@-83.8,17.4 -84.55,17.4 ; -86.3,17.775 -86.3,18.125 ; -86.3,18.125 C23.1@-85.5,17.325 C23.1@-85.3,17.125 ; C23.1@-85.3,17.125 -85.075,16.9 -84.55,16.9 ; C23.1@-85.3,17.125 -84.775,17.125 -84.55,16.9 ; -84.55,16.9 -84.55,17.125 ; -84.55,17.125 -84.55,17.4
  Top Layer w0.5: L4.1@-85.425,22.3 -85,22.3 ; -84.9,22.3 -85,22.3 ; C24.1@-83.9,22.7 -84.6,22.7 -85,22.3
ETH_1.8D: C34.1 L6.1 U4.31 | length 7.7
  Top Layer w0.25: U4.31@-75.6,16.4 -74.85,16.4 ; C34.1@-73.275,16.975 C34.1@-73.275,17.15 ; C34.1@-73.225,17.15 C34.1@-73.275,17.15 ; C34.1@-73.2,16.65 -74.025,16.65 -74.275,16.4 -74.575,16.4 ; C34.1@-73.2,16.9 -74.075,16.9 -74.575,16.4 ; -74.85,16.4 -74.1,17.15 -73.45,17.15 C34.1@-73.275,17.15 ; -74.85,16.4 -74.575,16.4
  Top Layer w0.8: C34.1@-73.45,17.15 -73.45,18.35 L6.1@-73.2,18.6
ETH_3.3A: C3.1 C12.1 C17.1 C18.1 CN3.3 CN3.4 L3.2 U4.7 U4.8 | length 13.8
  Top Layer w0.25: -84.625,15.65 -88.35,15.65 ; U4.7@-84.4,15.9 -84.55,15.9 ; U4.7@-84.375,15.9 U4.7@-84.125,15.9 ; U4.8@-83.8,15.4 -84.55,15.4 ; -88.35,15.65 -88.4,15.65 -88.15,15.4 -84.55,15.4 ; -88.35,15.65 -88.6,15.9 -84.55,15.9 ; -84.55,15.4 -84.55,15.9
ETH_MDC: U4.19 U6.16 | length 26.6
  Top Layer w0.15: v1(-80,15.3) -80.025,15.275 -80.025,14.209 -79.475,13.659 -79.475,12.075 U4.19@-79.45,12.05 ; U6.16@-61.625,12.5 -60.4,12.5 v1@-60,12.9
  Bottom Layer w0.15: v1(-80,15.3) -78.984,15.3 -78.759,15.525 -77.946,15.525 -77.166,14.745 -75.255,14.745 -75.1,14.9 -73.8,14.9 -72.8,13.9 -61,13.9 v1(-60,12.9)
ETH_MDIO: R48.1 U4.18 U6.25 | length 28
  Top Layer w0.15: v1(-80.1,13.4) -79.95,13.25 U4.18@-79.95,12.05 -79.95,10.85 -78.925,9.825 ; U6.25@-61.625,8 -60.4,8 v1(-60,8.4)
  Bottom Layer w0.15: v1(-80.1,13.4) -78.625,11.925 -76.215,11.925 -75.39,11.1 -63.095,11.1 -60.395,8.4 v1(-60,8.4)